# Altium PCB DBBC7505S-F.PcbDoc (part 1 of 2) (continued)
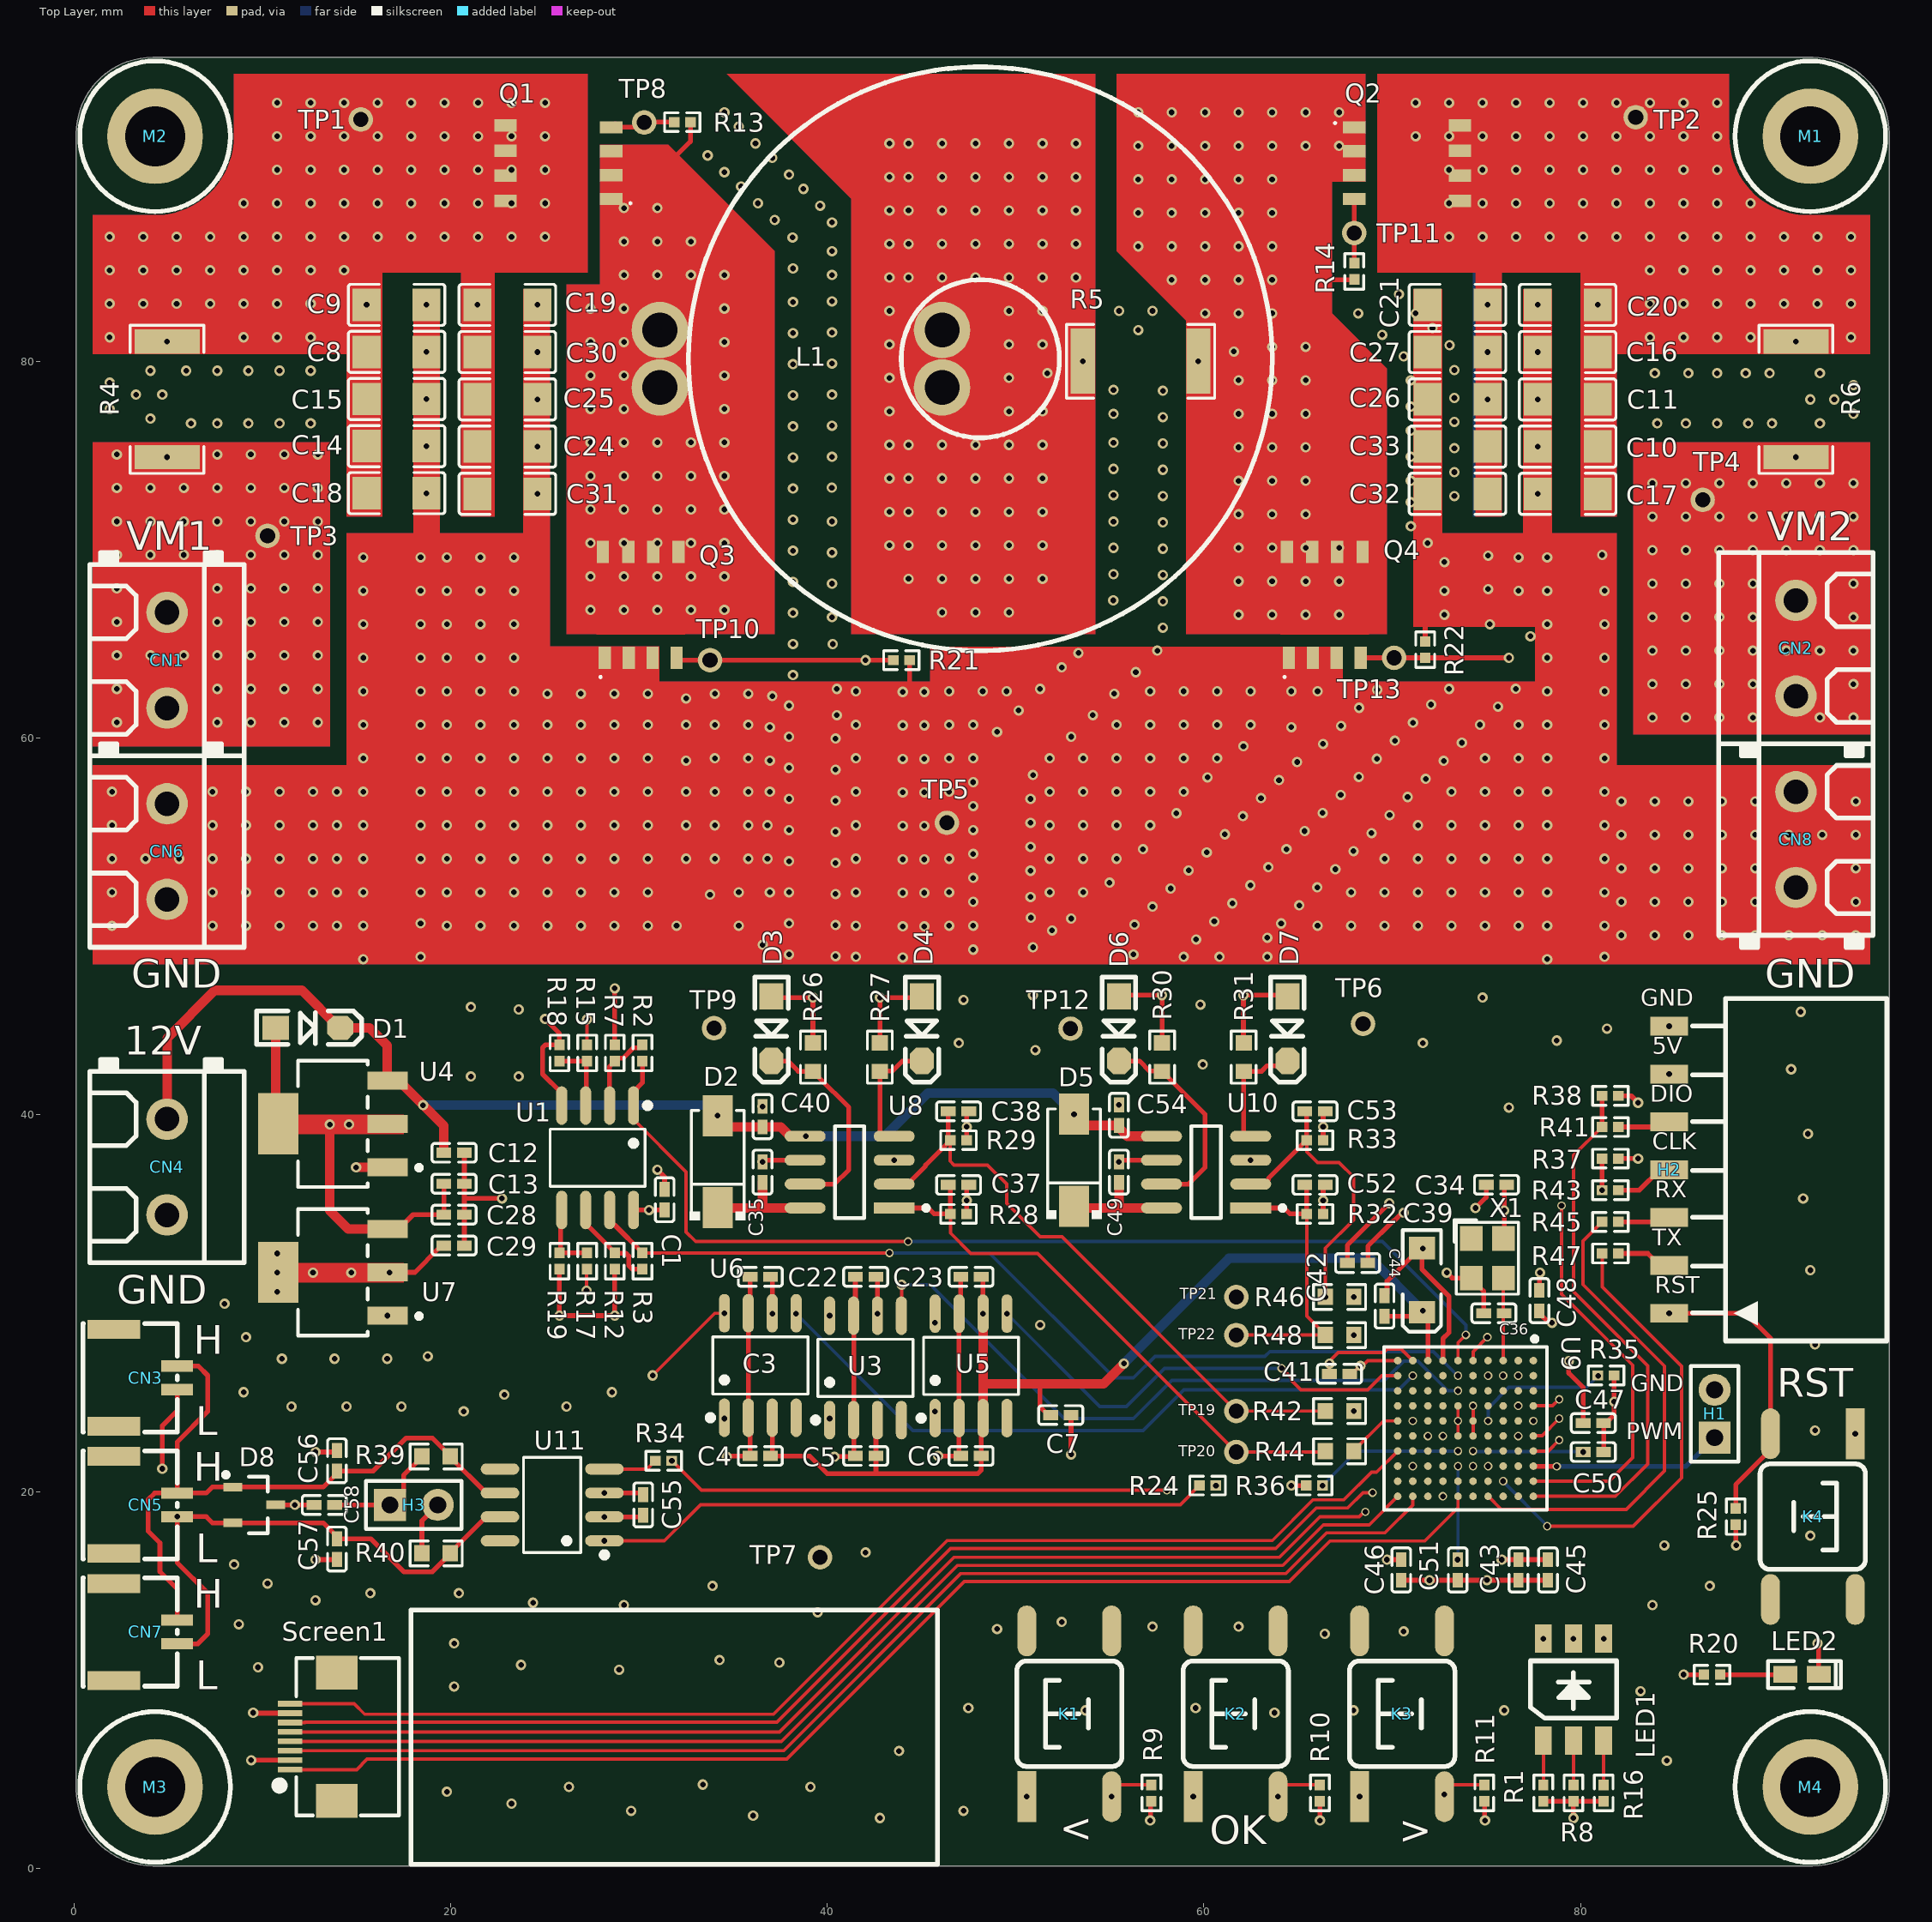
[diagram p0: Top Layer view]
## Design rules (kind name [scope] priority, off if disabled: settings) (continued)
29 further rules are at their usual default settings.

## Components (designator, comment, footprint, x,y, rotation, side; value= is the part's Value field where it differs from the comment)
C1 "470nF" C0402 31.369,35.492 r270 top
C3 "100nF" C0402 36.449,31.396 r0 top
C4 "100nF" C0402 36.449,21.89 r0 top
C5 "100nF" C0402 42.045,21.89 r0 top
C6 "100nF" C0402 47.641,21.89 r0 top
C7 "100nF" C0402 52.406,24.059 r180 top
C8 "22uF100V" C1206 17.136,80.5 r0 top
C9 "22uF100V" C1206 17.136,83 r0 top
C10 "22uF100V" C1206 79.318,75.475 r180 top
C11 "22uF100V" C1206 79.318,77.983 r0 top
C12 "1uF" C0402 20.191,37.984 r180 top
C13 "1uF" C0402 20.191,36.341 r180 top
C14 "22uF100V" C1206 17.136,75.501 r0 top
C15 "22uF100V" C1206 17.136,78 r0 top
C16 "22uF100V" C1206 79.318,80.492 r180 top
C17 "22uF100V" C1206 79.318,72.967 r0 top
C18 "22uF100V" C1206 17.136,73.001 r0 top
C19 "22uF100V" C1206 23.02,83 r0 top
C20 "22uF100V" C1206 79.318,83 r180 top
C21 "22uF100V" C1206 73.468,83 r0 top
C22 "100nF" C0402 42.045,31.396 r0 top
C23 "100nF" C0402 47.641,31.396 r0 top
C24 "22uF100V" C1206 23.02,75.475 r0 top
C25 "22uF100V" C1206 23.02,77.983 r0 top
C26 "22uF100V" C1206 73.468,77.983 r180 top
C27 "22uF100V" C1206 73.468,80.492 r0 top
C28 "1uF" C0402 20.191,34.699 r180 top
C29 "1uF" C0402 20.191,33.057 r180 top
C30 "22uF100V" C1206 23.02,80.492 r0 top
C31 "22uF100V" C1206 23.02,72.967 r0 top
C32 "22uF100V" C1206 73.468,72.967 r180 top
C33 "22uF100V" C1206 73.468,75.475 r0 top
C34 "100nF" C0402 75.538,36.287 r180 top
C35 "100nF" C0402 36.568,36.957 r90 top
C36 "15pF" C0402 75.401,29.464 r180 top
C37 "330pF" C0402 46.976,36.279 r180 top
C38 "330pF" C0402 46.976,40.185 r180 top
C39 "10uF" "CD A(3216)" 71.582,31.221 r90 top
C40 "1uF" C0402 36.568,39.9 r270 top
C41 "100nF" C0402 67.204,26.248 r180 top
C42 "100nF" C0402 68.162,32.131 r180 top
C43 "100nF" C0402 76.708,15.838 r270 top
C44 "100nF" C0402 69.596,29.845 r90 top
C45 "1uF" C0402 78.272,15.838 r90 top
C46 "100nF" C0402 70.484,15.838 r90 top
C47 "100nF" C0402 80.682,23.635 r180 top
C48 "100nF" C0402 77.818,30.134 r270 top
C49 "100nF" C0402 55.493,36.957 r90 top
C50 "2.2uF" C0402 80.682,22.098 r0 top
C51 "2.2uF" C0402 73.48,15.838 r270 top
C52 "330pF" C0402 65.902,36.279 r180 top
C53 "330pF" C0402 65.902,40.185 r180 top
C54 "1uF" C0402 55.493,39.977 r270 top
C55 "100nF" C0402 30.234,19.29 r270 top
C56 "20pF" C0402 13.97,21.634 r270 top
C57 "20pF" C0402 13.97,16.944 r90 top
C58 "4.7nF" C0402 13.3,19.29 r0 top
CN1 "1729128" CONN-TH_2P-P5.08 4.953,64.135 r270 top
CN2 "1729128" CONN-TH_2P-P5.08 91.44,64.77 r90 top
CN3 "A1257WR-S-2P" CONN-SMD_A1257WR-S-2P 3.81,26.035 r270 top
CN4 "1729128" CONN-TH_2P-P5.08 4.953,37.226 r270 top
CN5 "A1257WR-S-2P" CONN-SMD_A1257WR-S-2P 3.81,19.29 r270 top
CN6 "1729128" CONN-TH_2P-P5.08 4.953,53.975 r270 top
CN7 "A1257WR-S-2P" CONN-SMD_A1257WR-S-2P 3.81,12.544 r270 top
CN8 "1729128" CONN-TH_2P-P5.08 91.44,54.61 r90 top
D1 "1N5819W(SOD-123)" SOD-123 12.438,44.622 r0 top
D2 "MURA120T3G" SMA 34.186,37.508 r270 top
D3 "1N5819W(SOD-123)" SOD-123 37.045,44.572 r270 top
D4 "1N5819W(SOD-123)" SOD-123 45.035,44.572 r270 top
D5 "MURA120T3G" SMA 53.111,37.585 r270 top
D6 "1N5819W(SOD-123)" SOD-123 55.493,44.572 r270 top
D7 "1N5819W(SOD-123)" SOD-123 64.441,44.572 r270 top
D8 "PESD1CAN" SOT23-3L 9.594,19.29 r270 top
H1 "Header-Male-2.54_1x2" HDR2.54-LI-2P 87.122,24.13 r90 top
H2 "7P卧贴排母" HDR-SMD_7P-P2.54-H-F-L11.5 84.709,37.084 r90 top (schematic designator H?)
H3 "Header-Male-2.54_1x2" HDR2.54-LI-2P 18.056,19.29 r0 top
K1 "TSW SMD-6*6*5" "TSW SMD-6*6*5" 52.863,8.203 r90 top
K2 "TSW SMD-6*6*5" "TSW SMD-6*6*5" 61.698,8.203 r90 top
K3 "TSW SMD-6*6*5" "TSW SMD-6*6*5" 70.533,8.203 r90 top
K4 "TSW SMD-6*6*5" "TSW SMD-6*6*5" 92.329,18.669 r270 top
L1 "47uH 30A" 106-125卧式 34.163,81.661 r270 top locked
LED1 "LED 5050" "LED 5050" 79.629,9.487 r90 top
LED2 "LED 0603G" "LED 0603G" 91.758,10.28 r0 top
M1 "M3x5_L" M3x5_L 92.202,91.948 r0 top
M2 "M3x5_L" M3x5_L 4.318,91.948 r0 top
M3 "M3x5_L" M3x5_L 4.318,4.318 r0 top
M4 "M3x5_L" M3x5_L 92.202,4.318 r0 top
Q1 "BSC070N10NS3 G" INF-PG-TDSON-8-1_V 25.714,90.521 r90 top
Q2 "BSC070N10NS3 G" INF-PG-TDSON-8-1_V 70.807,90.521 r270 top
Q3 "BSC070N10NS3 G" INF-PG-TDSON-8-1_V 30.099,67.087 r0 top
Q4 "BSC070N10NS3 G" INF-PG-TDSON-8-1_V 66.421,67.087 r0 top
R1 "330 ohm" R0402 78.029,3.996 r270 top
R2 "3k" R0402 30.19,43.28 r270 top
R3 "3k" R0402 30.19,32.236 r90 top
R4 "0.003 ohm" R2512 4.953,77.983 r90 top
R5 "0.003 ohm" R2512 56.642,80.01 r0 top
R6 "0.003 ohm" R2512 91.44,77.983 r270 top
R7 "72k" R0402 28.722,43.28 r90 top
R8 "510 ohm" R0402 79.629,3.996 r270 top
R9 "10k" R0402 57.213,3.996 r270 top
R10 "10k" R0402 66.161,3.996 r270 top
R11 "10k" R0402 74.891,3.996 r270 top
R12 "72k" R0402 28.722,32.236 r90 top
R13 "10k" R0402 32.309,92.699 r0 top
R14 "10k" R0402 67.99,84.776 r90 top
R15 "72k" R0402 27.254,43.28 r90 top
R16 "330 ohm" R0402 81.229,3.996 r90 top
R17 "72k" R0402 27.254,32.236 r90 top
R18 "3k" R0402 25.785,43.28 r270 top
R19 "3k" R0402 25.785,32.236 r90 top
R20 "3k" R0402 86.986,10.28 r0 top
R21 "10k" R0402 43.942,64.135 r180 top
R22 "10k" R0402 71.755,64.695 r270 top
R24 "10 ohm" R0402 60.198,20.32 r180 top
R25 "10k" R0402 88.24,18.669 r90 top
R26 "10 ohm" R0603 39.243,43.062 r90 top
R27 "10 ohm" R0603 42.799,43.062 r90 top
R28 "10k" R0402 46.976,34.737 r180 top
R29 "10k" R0402 46.976,38.653 r180 top
R30 "10 ohm" R0603 57.785,43.062 r90 top
R31 "10 ohm" R0603 62.118,43.062 r90 top
R32 "10k" R0402 65.902,34.737 r180 top
R33 "10k" R0402 65.902,38.653 r180 top
R34 "10 ohm" R0402 31.317,21.634 r180 top
R35 "10k" R0402 81.355,26.162 r180 top
R36 "10k" R0402 65.861,20.32 r0 top
R37 "10k" R0402 81.586,37.675 r180 top
R38 "10k" R0402 81.586,41.005 r180 top
R39 "60.4 ohm" R0603 19.235,21.863 r0 top
R40 "60.4 ohm" R0603 19.235,16.719 r0 top
R41 "10 ohm" R0402 81.586,39.354 r180 top
R42 "10 ohm" R0603 67.204,24.273 r180 top
R43 "10 ohm" R0402 81.586,35.996 r180 top
R44 "10 ohm" R0603 67.204,22.14 r180 top
R45 "10 ohm" R0402 81.586,34.318 r180 top
R46 "10 ohm" R0603 67.204,30.331 r180 top
R47 "10 ohm" R0402 81.586,32.639 r180 top
R48 "10 ohm" R0603 67.204,28.308 r180 top
Screen1 "FPC0.5-8P" "FPC0.5 2H-S-W-8P" 13.97,6.985 r90 top
TP1 "TestPoint_DIP" TestPoint_DIP 15.24,92.837 r90 top
TP2 "TestPoint_DIP" TestPoint_DIP 82.931,92.964 r90 top
TP3 "TestPoint_DIP" TestPoint_DIP 10.287,70.739 r90 top
TP4 "TestPoint_DIP" TestPoint_DIP 86.487,72.644 r90 top
TP5 "TestPoint_DIP" TestPoint_DIP 46.355,55.499 r90 top
TP6 "TestPoint_DIP" TestPoint_DIP 68.453,44.831 r90 top
TP7 "TestPoint_DIP" TestPoint_DIP 39.624,16.51 r90 top
TP8 "TestPoint_DIP" TestPoint_DIP 30.287,92.679 r90 top
TP9 "TestPoint_DIP" TestPoint_DIP 33.989,44.596 r90 top
TP10 "TestPoint_DIP" TestPoint_DIP 33.782,64.135 r90 top
TP11 "TestPoint_DIP" TestPoint_DIP 67.99,86.817 r90 top
TP12 "TestPoint_DIP" TestPoint_DIP 52.924,44.572 r90 top
TP13 "TestPoint_DIP" TestPoint_DIP 70.104,64.262 r90 top
TP19 "TestPoint_DIP" TestPoint_DIP 61.722,24.273 r90 top
TP20 "TestPoint_DIP" TestPoint_DIP 61.722,22.098 r90 top
TP21 "TestPoint_DIP" TestPoint_DIP 61.722,30.331 r90 top
TP22 "TestPoint_DIP" TestPoint_DIP 61.722,28.308 r90 top
U1 "GS8552-SR" SOIC-8_L4.9-W3.9-P1.27-LS6.0-BL 27.813,37.719 r180 top
U3 "CSA240LCSOIC8" SOIC-8_L4.9-W3.9-P1.27-LS6.0-BL 42.037,26.565 r0 top
U4 "TLV1117-50IDCY" FP-DCY0004A-MFG 13.755,39.518 r180 top
U5 "CSA240LCSOIC8" SOIC-8_L4.9-W3.9-P1.27-LS6.0-BL 47.641,26.67 r0 top
U6 "CSA240LCSOIC8" SOIC-8_L4.9-W3.9-P1.27-LS6.0-BL 36.449,26.692 r0 top
U7 "TLV1117-33IDCYR" FP-DCY0004A-MFG 13.755,31.637 r180 top
U8 "IRS2186STRPBF" FP-PG-DSO-8-IPC_B 41.195,36.957 r180 top
U9 "STM32H743VIH6" FP-TFBGA100-A08Q-MFG 73.895,23.349 r270 top
U10 "IRS2186STRPBF" FP-PG-DSO-8-IPC_B 60.121,36.957 r180 top
U11 "TCAN332GDR" SOIC-8_L4.9-W3.9-P1.27-LS6.0-BL 25.4,19.29 r90 top
X1 "25Mhz" "OSC 3225-4P" 75.057,32.385 r270 top

## Footprints (in the part's own frame and the unit in brackets; to place one, negate y for a bottom-side part, rotate by r counter-clockwise, add the part's x,y. Pads: shape width x height; smd on the part's side, far side on the other; paste and mask are expansions set on the pad)
106-125卧式 [mm]
  round 3 hole 1.85: 1(0,-3.048) 1(3.048,-3.048) 2(0,11.938) 2(3.048,11.938)
  silkscreen extent -13.97,-1.53 17.02,29.47
C0402 [mm]
  rect 0.79x0.54 smd: 1(-0.545,0) 2(0.545,0)
  silkscreen extent -1.17,-0.5 1.17,0.5, body extent -0.5,-0.25 0.5,0.25, height 0.5
C1206 [mm]
  rect 1.485x1.728 smd: 1(-1.593,0) 2(1.593,0)
  silkscreen extent -2.56,-1.09 2.56,1.09, body extent -1.7,-0.91 1.7,0.91, height 0.89
"CD A(3216)" [mm] "长3.2mm，宽1.6mm，厚1.6mm"
  rect 1.2x1.4 smd: 1(-1.7,0) 2(1.7,0)
  silkscreen extent -2.74,-1.02 2.67,1.02, body extent -1.6,-0.8 1.6,0.8, height 1.6
CONN-SMD_A1257WR-S-2P [mm]
  rect 0.6x1.7 smd: 1(0.625,1.675) 2(-0.625,1.675)
  rect 1x2.8 smd: 3(2.575,-1.675) 4(-2.575,-1.675)
  silkscreen extent -2.87,-3.33 2.87,1.68, body extent -2.87,-2.86 2.87,2, height 4.25
CONN-TH_2P-P5.08 [mm]
  round 2.2 hole 1.3 mask+0.051: 1(-2.54,0) 2(2.54,0)
  silkscreen extent -5.72,-4.1 5.08,4.1
FP-DCY0004A-MFG [mm]
  rect 2.15x0.95 smd paste+0 mask+0: 1(-2.9,2.3) 2(-2.9,0) 3(-2.9,-2.3)
  rect 2.15x3.25 smd paste+0 mask+0: 4(2.9,0)
  silkscreen extent -4.7,-3.35 1.85,3.35, body extent -4.08,-3.45 4.08,3.45, height 0.25
FP-PG-DSO-8-IPC_B [mm]
  rect 2.174x0.582 smd paste+0 mask+0: 1(-2.366,1.905)
  rrect100% 2.174x0.582 smd paste+0 mask+0: 2(-2.366,0.635) 3(-2.366,-0.635) 4(-2.366,-1.905) 5(2.366,-1.905) 6(2.366,-0.635) 7(2.366,0.635) 8(2.366,1.905)
  silkscreen extent -4.18,-2.44 0.78,2.44, body extent -3.7,-2.7 3.7,2.7, height 0.25
FP-TFBGA100-A08Q-MFG [mm]
  round 0.4 smd paste+0 mask+0: A1(-3.6,3.6) A2(-2.8,3.6) A3(-2,3.6) A4(-1.2,3.6) A5(-0.4,3.6) A6(0.4,3.6) A7(1.2,3.6) A8(2,3.6) A9(2.8,3.6) A10(3.6,3.6) B1(-3.6,2.8) B2(-2.8,2.8) B3(-2,2.8) B4(-1.2,2.8) B5(-0.4,2.8) B6(0.4,2.8) B7(1.2,2.8) B8(2,2.8) B9(2.8,2.8) B10(3.6,2.8) C1(-3.6,2) C2(-2.8,2) C3(-2,2) C4(-1.2,2) C5(-0.4,2) C6(0.4,2) C7(1.2,2) C8(2,2) C9(2.8,2) C10(3.6,2) D1(-3.6,1.2) D2(-2.8,1.2) D3(-2,1.2) D4(-1.2,1.2) D5(-0.4,1.2) D6(0.4,1.2) D7(1.2,1.2) D8(2,1.2) D9(2.8,1.2) D10(3.6,1.2) E1(-3.6,0.4) E2(-2.8,0.4) E3(-2,0.4) E4(-1.2,0.4) E5(-0.4,0.4) E6(0.4,0.4) E7(1.2,0.4) E8(2,0.4) E9(2.8,0.4) E10(3.6,0.4) F1(-3.6,-0.4) F2(-2.8,-0.4) F3(-2,-0.4) F4(-1.2,-0.4) F5(-0.4,-0.4) F6(0.4,-0.4) F7(1.2,-0.4) F8(2,-0.4) F9(2.8,-0.4) F10(3.6,-0.4) G1(-3.6,-1.2) G2(-2.8,-1.2) G3(-2,-1.2) G4(-1.2,-1.2) G5(-0.4,-1.2) G6(0.4,-1.2) G7(1.2,-1.2) G8(2,-1.2) G9(2.8,-1.2) G10(3.6,-1.2) H1(-3.6,-2) H2(-2.8,-2) H3(-2,-2) H4(-1.2,-2) H5(-0.4,-2) H6(0.4,-2) H7(1.2,-2) H8(2,-2) H9(2.8,-2) H10(3.6,-2) J1(-3.6,-2.8) J2(-2.8,-2.8) J3(-2,-2.8) J4(-1.2,-2.8) J5(-0.4,-2.8) J6(0.4,-2.8) J7(1.2,-2.8) J8(2,-2.8) J9(2.8,-2.8) J10(3.6,-2.8) K1(-3.6,-3.6) K2(-2.8,-3.6) K3(-2,-3.6) K4(-1.2,-3.6) K5(-0.4,-3.6) K6(0.4,-3.6) K7(1.2,-3.6) K8(2,-3.6) K9(2.8,-3.6) K10(3.6,-3.6)
  silkscreen extent -4.87,-4.33 4.33,4.32, body extent -4.57,-4.57 4.57,4.57, height 0.25
"FPC0.5 2H-S-W-8P" [mm] "长：8.2mm，宽：5.2mm，高：2mm"
  rect 1.8x2.2 smd: 0(-3.4,0) 0(3.4,0)
  rect 0.3x1.3 smd: 1(-1.75,2.497) 2(-1.25,2.497) 3(-0.75,2.497) 4(-0.25,2.497) 5(0.25,2.497) 6(0.75,2.497) 7(1.25,2.497) 8(1.75,2.497)
  silkscreen extent -4.17,-3.3 4.17,3.23, body extent -4.1,-3.15 4.1,2.85, height 2
HDR2.54-LI-2P [mm] "排针，2脚"
  rect 1.7x1.7 hole 0.9: 1(-1.27,0)
  round 1.7 hole 0.9: 2(1.27,0)
  silkscreen extent -2.54,-1.27 2.54,1.27, body extent -2.54,-1.27 2.54,1.27, height 8.5
HDR-SMD_7P-P2.54-H-F-L11.5 [mm]
  rect 1x2 smd mask-2539.97: 1(-7.62,0) 2(-5.08,0) 3(-2.54,0) 4(0,0) 5(2.54,0) 6(5.08,0) 7(7.62,0)
  silkscreen extent -9.09,-11.56 9.09,-1.23
INF-PG-TDSON-8-1_V [mm] "TDSON, 8-Leads, Body 6.15x5.15mm, Pitch 1.27mm"
  rect 0.65x1.2 smd: 1(-1.905,-2.825) 2(-0.635,-2.825) 3(0.635,-2.825) 4(1.905,-2.825) 5(2.007,2.794) 6(0.66,2.794) 7(-0.66,2.794) 8(-2.007,2.794)
  Top Layer region: 0.315,2.925 1.015,2.925 1.015,3.425 0.315,3.425
  Top Layer region: -1.015,2.925 -0.315,2.925 -0.315,3.425 -1.015,3.425
  Top Layer region: 1.65,2.925 2.35,2.925 2.35,3.425 1.65,3.425
  Top Layer region: -2.35,2.925 -1.65,2.925 -1.65,3.425 -2.35,3.425
  Top Layer region: -2.35,2.925 -2.35,-1.575 2.35,-1.575 2.35,2.925
  silkscreen extent -2.23,-3.94 -2.03,-3.74, body extent -2.58,-3.08 2.58,3.08, height 1
"LED 0603G" [mil] "绿色0603LED"
  rect 50x35 smd: 1(-35,0.26) 2(35,0.26)
  silkscreen extent -71,-28 81,28, body extent -31,-16 32,16, height 18
"LED 5050" [mm] "白色5050LED"
  rect 1.5x0.9 smd: 1(2.705,1.6) 2(-2.705,1.6) 3(2.705,0) 4(-2.705,0) 5(2.705,-1.6) 6(-2.705,-1.6)
  silkscreen extent -1.52,-2.29 1.52,2.29, body extent -2.7,-2.5 2.7,2.5, height 1.65
M3x5_L [mm] "M3铜柱，长：5mm"
  round 5.08 hole 3.175: 1(0,0)
  silkscreen extent -4,-4 4,4, body extent -2.7,-2.35 2.7,2.35, height 5.05
"OSC 3225-4P" [mm] "3.2*2.5*0.7mm(长宽高)"
  rect 1.3x1.2 smd: 1(-1.05,-0.85) 2(1.05,-0.85) 3(1.05,0.85) 4(-1.05,0.85)
  silkscreen extent -2.03,-1.75 1.91,1.65, body extent -1.6,-1.25 1.6,1.25, height 0.7
R0402 [mm]
  rect 0.566x0.54 smd: 1(-0.433,0) 2(0.433,0)
  silkscreen extent -0.94,-0.5 0.94,0.5, body extent -0.5,-0.25 0.5,0.25, height 0.51
R0603 [mm]
  rect 0.806x0.864 smd: 1(-0.753,0) 2(0.753,0)
  silkscreen extent -1.39,-0.66 1.39,0.66, body extent -0.8,-0.4 0.8,0.4, height 0.22
R2512 [mm]
  rect 1.283x3.456 smd: 1(-3.066,0) 2(3.066,0)
  silkscreen extent -3.94,-1.96 3.94,1.96, body extent -3.15,-1.6 3.15,1.6, height 0.61
SMA [mm]
  rect 2.185x1.593 smd: 1(-2.442,0) 2(2.442,0)
  silkscreen extent -2.73,-1.48 3.11,1.48, body extent -2.6,-1.3 2.6,1.3, height 2
SOD-123 [mil] "2.7x1.6X1.1mm（长宽高，不包括引脚）"
  rect 55x50 smd: 1(-67.5,0)
  oct 55x50 smd: 2(67.5,0)
  silkscreen extent -108,-35 112,35, body extent -73,-31 73,31, height 48
SOIC-8_L4.9-W3.9-P1.27-LS6.0-BL [mm]
  oval 0.588x2.045 smd: 1(-1.905,-2.772) 2(-0.635,-2.772) 3(0.635,-2.772) 4(1.905,-2.772) 5(1.905,2.772) 6(0.635,2.772) 7(-0.635,2.772) 8(-1.905,2.772)
  silkscreen extent -2.8,-2.92 2.53,1.52, body extent -2.51,-2.89 2.51,3.15, height 1.6
SOT23-3L [mm] "3x1.3x1mm(长宽高)"
  rect 0.45x1 smd: 1(-0.95,-1.143) 2(0.95,-1.143) 3(0,1.125)
  silkscreen extent -1.72,-1.65 1.5,0.7, body extent -1.5,-1.2 1.5,1.2, height 1.05
TestPoint_DIP [mm]
  round 1.3 hole 0.8: 1(0,0)
"TSW SMD-6*6*5" [mm] "6*6*5mm"
  rect 2.7x1 smd: 1(-4.4,2.261)
  oval 2.7x1 smd: 2(4.4,2.261) 3(-4.4,-2.239) 4(4.4,-2.239)
  silkscreen extent -2.79,-2.79 2.79,2.79, body extent -4.5,-3 4.5,3, height 4.95

## Part data
C1 C3 C4 C5 C6 C7 C12 C13 C22 C23 C28 C29 C34 C35 C36 C37 C38 C40 C41 C42 C43 C44 C45 C46 C47 C48 C49 C50 C51 C52 C53 C54 C55 C56 C57 C58: library part C0402, BOM_JLCPCB Part Class="Extended Part", BOM_Manufacturer=YAGEO, BOM_Manufacturer Part=CC0402KRX7R7BB104, BOM_Supplier=LCSC, BOM_Supplier Part=C60474, nameAlias=Capacitance, spicePre=C, spiceSymbolName=CC0402KRX7R7BB104
C8 C9 C10 C11 C14 C15 C16 C17 C18 C19 C20 C21 C24 C25 C26 C27 C30 C31 C32 C33: library part C1206, BOM_JLCPCB Part Class="Basic Part", BOM_Manufacturer=FH, BOM_Manufacturer Part=1206B102K202NT, BOM_Supplier=LCSC, BOM_Supplier Part=C9196, nameAlias=Capacitance, spicePre=C, spiceSymbolName=1206B102K202NT
C39: library part A型钽电容, "长3.2mm，宽1.6mm，厚1.6mm", BOM_JLCPCB Part Class="Extended Part", BOM_Manufacturer=ValuePro, BOM_Manufacturer Part="50V 100uF 8X12", BOM_Supplier=LCSC, BOM_Supplier Part=C2749, nameAlias=Capacitance, spicePre=C, spiceSymbolName="50V 100uF 8X12"
CN1 CN2 CN4 CN6 CN8: library part MKDSN5.08-2P, "间距:5.08mm;排数:1;每排PIN数:2;安装方式:直针;额定电流:13.5A;额定电压:400V;工作温度范围:-;颜色:绿色;", Color=绿色, Current Rating (Max)=13.5A, JLCPCB Part Class="Extended Part", LCSC Part Name="5.08mm 排数:1 每排P数:2 直针", Manufacturer="Phoenix Contact(菲尼克斯)", Operating Temperature Range=-, Voltage Rating (Max)=400V, Add into BOM=yes, Convert to PCB=yes, Datasheet=https://atta.szlcsc.com/upload/public/pdf/source/20161226/1482720163948.pdf, Device=1729128, Manufacturer Part=1729128, Mounting Style=直针, Number of PINs Per Row=2, Number of Rows=1, Pitch=5.08mm, Supplier=LCSC, Supplier Footprint=插件,P=5.08mm, Supplier Part=C91153, Symbol=MKDSN1.5/2-5.08
CN3 CN5 CN7: BOM_JLCPCB Part Class="Extended Part", BOM_Manufacturer="Changjiang Connectors", BOM_Manufacturer Part=A1257WV-S-2P, BOM_Supplier=LCSC, BOM_Supplier Part=C225118, Contributor=LCSC, spicePre=C, spiceSymbolName=A1257WV-S-2P
D1 D3 D4 D6 D7: BOM_JLCPCB Part Class="Extended Part", BOM_Manufacturer=Doeshare(德芯), BOM_Manufacturer Part=SS34, BOM_Supplier=LCSC, BOM_Supplier Part=C2931787, Contributor=LCSC, spicePre=D, spiceSymbolName=SS34_C2931787
D2 D5: "25ns 0.875V压降 1A快恢复二极管", Average Rectified Current (Io)=1A, Forward Voltage (Vf@If)=1.7V@1A, JLCPCB Part Class="Extended Part", LCSC Part Name="600V 1A 35ns", Manufacturer=MDD, Manufacturer Part=ES1J, Operating Temperature=-55℃~+150℃@(Tj), Reverse Leakage Current=5uA@600V, Reverse Voltage (Vr)=600V, Add into BOM=yes, Convert to PCB=yes, Datasheet=https://atta.szlcsc.com/upload/public/pdf/source/20200710/C412438_D778E045B8BDD674EB487A7C2F57C90E.pdf, Device=ES1J_C412438, Diode Configuration=独立式, Name=ES1J, Reverse Recovery Time (trr)=35ns, Supplier=LCSC, Supplier Footprint=SMA, Supplier Part=C412438, Symbol=ES1JG_C412438
D8: BOM_Manufacturer="TECH PUBLIC", BOM_Manufacturer Part=PESD1CAN, BOM_Supplier=LCSC, BOM_Supplier Part=C907838, Contributor=LCSC, spicePre=D, spiceSymbolName=PESD1CAN_C907838
H1 H3: BOM_JLCPCB Part Class="Extended Part", BOM_Manufacturer=BOOMELE, BOM_Manufacturer Part="Header2.54mm 1*3P", BOM_Supplier=LCSC, BOM_Supplier Part=C49257, spicePre=H, spiceSymbolName=Header-Male-2.54_1x3
H2: JLCPCB Part Class="Extended Part", LCSC Part Name="间距:2.54mm 1x6P 卧贴", Manufacturer="XKB Connectivity(中国星坤)", Manufacturer Part=X6511FRS-06-C85D30, Add into BOM=yes, Convert to PCB=yes, Datasheet=https://atta.szlcsc.com/upload/public/pdf/source/20220822/AB9A82E80C220285963E5EFA3BFD32FF.pdf, Device=X6511FRS-06-C85D30, Holes Structure=1x6P, Insulation Height=8.5mm, Mounting Type=卧贴, Name=X6511FRS-06-C85D30, Number of Holes=6P, Number of Rows=单排, Pitch=2.54mm, Supplier=LCSC, Supplier Footprint=SMD,P=2.54mm, Supplier Part=C5142239, Symbol=X6511FRS-06-C85D30
K1 K2 K3 K4: BOM_JLCPCB Part Class="Extended Part", BOM_Manufacturer=GANGYUAN(港源), BOM_Manufacturer Part=KAN0661-1001B, BOM_Supplier=LCSC, BOM_Supplier Part=C231715, Contributor=LCSC, spicePre=S, spiceSymbolName=KAN0661-1001B
L1: library part 106-125铁硅铝磁环电感, BOM_JLCPCB Part Class="Extended Part", BOM_Manufacturer=FH(风华), BOM_Manufacturer Part=HA42-4R7MT, BOM_Supplier=LCSC, BOM_Supplier Part=C2936653, Contributor=LCSC, nameAlias=Inductance, spicePre=L, spiceSymbolName=HA42-4R7MT
LED1: "5050RGB-LED", BOM_Manufacturer=EVERLIGHT(台湾亿光), BOM_Manufacturer Part=11-21/BHC-AQ2S2/2T, BOM_Supplier=LCSC, BOM_Supplier Part=C3014404, Contributor=lcsc, spicePre=L, spiceSymbolName=11-21/BHC-AQ2S2/2T
LED2: "绿色0603LED", BOM_Manufacturer=EVERLIGHT(台湾亿光), BOM_Manufacturer Part=11-21/BHC-AQ2S2/2T, BOM_Supplier=LCSC, BOM_Supplier Part=C3014404, Contributor=lcsc, spicePre=L, spiceSymbolName=11-21/BHC-AQ2S2/2T
M1 M2 M3 M4: "M3铜柱，长：5mm"
Q1 Q2 Q3 Q4: library part BSC070N10NS3G, "N-Channel OptiMOS 3 Power-Transistor, 100 V VDS, 90 A ID, -55 to 150 degC, PG-TDSON-8-1, Reel, Green", Manufacturer=Infineon, ComponentLink1Description="Manufacturer URL", ComponentLink1URL=http://www.infineon.com/, ComponentLink2Description=Datasheet, ComponentLink2URL=http://www.infineon.com/dgdl/BSC070N10NS3+Rev2+1.pdf?folderId=db3a304313b8b5a60113cee8763b02d7&fileId=db3a304327b89750012824712c6c6f2f, ComponentLink3Description="Package Specification", ComponentLink3URL=http://www.infineon.com/cms/packages/SMD_-_Surface_Mounted_Devices/P-PG-TDSON/P-PG-TDSON-08-01x_2x_3.html?__locale=en, DatasheetVersion="Rev. 2.0", Green=TRUE, Halogen-free=TRUE, ID (max)="90Â A", IDpuls (max)="360Â A", Manufacturer Part Number=BSC070N10NS3G, Mounting Technology="Surface Mount", PackageDescription="8-Pin Plastic (Green) Thin Dual Small Outline Non-Leaded Package, 5.15 x 5.9 mm Body, 1.27 mm Pitch", PackageReference=PG-TDSON-8-1, Packing=Reel, PartNumber="BSC070N10NS3 G", Polarity=N, Ptot (max)="114Â W", QG="42Â nC", RDS (on) (max)="7Â mOhm", Rth="1.1Â K/W", RthJA (max)="50Â K/W", RthJC (max)="1.1Â K/W", VDS (max)="100Â V", VGS(th) (max)="3.5Â V", VGS(th) (min)="2Â V"
R1 R2 R3 R7 R8 R9 R10 R11 R12 R13 R14 R15 R16 R17 R18 R19 R20 R21 R22 R24 R25 R28 R29 R32 R33 R34 R35 R36 R37 R38 R41 R43 R45 R47: library part R0402, BOM_JLCPCB Part Class="Extended Part", BOM_Manufacturer=YAGEO, BOM_Manufacturer Part=SR0402FR-0710KL, Resistance=10kΩ, BOM_Supplier=LCSC, BOM_Supplier Part=C723595, Contributor=LCSC, spicePre=R, spiceSymbolName=SR0402FR-0710KL
R4 R5 R6: library part R2512, BOM_JLCPCB Part Class="Extended Part", BOM_Manufacturer=YAGEO, BOM_Manufacturer Part=SR2512FK-0751RL, Resistance=51Ω, BOM_Supplier=LCSC, BOM_Supplier Part=C375694, Contributor=LCSC, nameAlias="Resistance (Ohms)", spicePre=R, spiceSymbolName=SR2512FK-0751RL
R26 R27 R30 R31 R39 R40 R42 R44 R46 R48: library part R0603, BOM_JLCPCB Part Class="Extended Part", BOM_Manufacturer=YAGEO, BOM_Manufacturer Part=SR0603JR-071RL, Resistance=1Ω, BOM_Supplier=LCSC, BOM_Supplier Part=C326890, Contributor=LCSC, nameAlias="Resistance (Ohms)", spicePre=R, spiceSymbolName=SR0603JR-071RL
Screen1: library part FPC-8P-0.5, "FPC连接器", BOM名称=FPC连接器, 学习资源=https://lmdzstyle.taobao.com/, 版权归属=黎明电子style
TP1 TP2 TP3 TP4 TP5 TP6 TP7 TP8 TP9 TP10 TP11 TP12 TP13 TP19 TP20 TP21 TP22: "测试点"
U1: "1.5MHZ, 轨到轨高精双通道运放", JLCPCB Part Class="Extended Part", Manufacturer=Gainsil(聚洵), Operating Temperature=-40℃~+125℃, Supply Current=180uA, Supply Voltage=1.8V~5.5V, Add into BOM=yes, Convert to PCB=yes, Datasheet=https://atta.szlcsc.com/upload/public/pdf/source/20200615/C605420_EE0E567F8FF01D919583B114644E1CC3.pdf, Device=GS8552-SR, Gain Bandwidth Product(GBP)=1.8MHz, LCSC Part Name=GS8552-SR, Manufacturer Part=GS8552-SR, Name=GS8552-SR, Number of Circuits=双路, Slew Rate(SR)=0.95V/us, Supplier=LCSC, Supplier Footprint=SOIC-8, Supplier Part=C157716, Symbol=GS8552-SR
U3 U5 U6: "低噪声低温漂双向电流高端检测芯片", Common Mode Voltage=6V~80V, JLCPCB Part Class="Extended Part", LCSC Part Name=线性产品, Manufacturer=analogysemi(类比半导体), Operating Temperature=-40℃~125℃, Supply Voltage=2.7V~5.5V, Add into BOM=yes, Convert to PCB=yes, Datasheet=https://atta.szlcsc.com/upload/public/pdf/source/20230221/4ACBE0500A397B3D4468D76F97F173B7.pdf, Device=CSA240LCSOIC8, Gain=20V/V, Manufacturer Part=CSA240LCSOIC8, Name=CSA240LCSOIC8, Number of Channels=1, Supplier=LCSC, Supplier Footprint=SOIC-8, Supplier Part=C5359411, Symbol=CSA240LCSOIC8
U4: library part CMP-04917-000165-1, "IC REG LINEAR 5V 800MA SOT223-4", Case/Package=SOT-223, Dropout Voltage=1.2V, Input Bias Current=5mA, Max Input Voltage=15V, Max Operating Temperature=125°C, Max Output Current=800mA, Min Input Voltage=6.4V, Min Operating Temperature=-40°C, Nominal Output Voltage=5V, Package Quantity=80, Quiescent Current=15mA, Reference Voltage=5.2V, Height=1.7mm, Lead Free="Lead Free", Length=6.7mm, Min Current Limit=800mA, Mount="Surface Mount", Number of Outputs=1, Number of Pins=3, Number of Regulators=1, Output Current=800mA, Output Type=Fixed, Output Voltage=5V, Packaging=Rail/Tube, Polarity=Positive, Radiation Hardening=No, REACH SVHC="No SVHC", RoHS Compliant=Yes, Series=-, Width=3.7mm
U7: library part CMP-04917-000056-1, "IC REG LIN 3.3V 800MA SOT223-4", Dropout Voltage=1.2V, Manufacturer="Texas Instruments", Max Junction Temp=+125°C, Max Supply Voltage=15V, Min Supply Voltage=4.7V, Nominal Supply Current=5mA, Output Current=0.8A, Output Voltage=3.3V, Package=DCY0004A, Temperature="-40°C to +125°C", Temperature Range Low=-40°C, Automotive=No, Category=IC, ComponentLink2Description=Datasheet, ComponentLink2URL=http://www.ti.com/lit/ds/symlink/tlv1117.pdf, Device Class L1="Integrated Circuits (ICs)", Device Class L2="Power Management ICs", Device Class L3="Voltage Regulators - Linear", Digikey Description="IC REG LIN 3.3V 800MA SOT223-4", Height=1.8mm, Lead Free=Yes, Manufacturer Part Number=TLV1117-33IDCYR, Mouser Description="LDO Voltage Regulators Fixed LDO Volt Reg", Number of Outputs=1, Octopart=https://octopart.com/tlv1117-33idcyr-texas+instruments-669250, Output Type=Fixed, RoHS=TRUE, Standoff Height=0.02mm, Temperature Range High=+125°C
U8 U10: library part CMP-32851-000154-1, "IC GATE DRVR HI/LOW SIDE 8SOIC", Case/Package=SOIC, Max Operating Temperature=150°C, Max Output Current=4A, Min Operating Temperature=-40°C, Package Quantity=2500, Channel Type=Independent, Fall Time=30ns, Halogen Free="Halogen Free", Height=0.059inch, Lead Free="Lead Free", Length=0.196inch, Mount="Surface Mount", Number of Channels=2, Number Of Drivers=2, Number of Outputs=2, Number of Pins=8, Output Current=4A, Packaging="Cut Tape", Propagation Delay=170ns, RoHS Compliant=Yes, Series=-, Width=0.157inch
U9: library part CMP-12105-000020-1, "HIGH-PERFORMANCE AND DSP WITH DP", Ambient Temperature Range High=+85°C, Ambient Temperature Range Low=-40°C, Frequency=480MHz, Manufacturer=STMicroelectronics, Max Junction Temp=+125°C, Max Supply Voltage=3.6V, Min Supply Voltage=1.71V, Package=TFBGA100-A08Q, Temperature="-40°C to +85°C", Automotive=No, Category=IC, ComponentLink2Description=Datasheet, ComponentLink2URL=https://www.st.com/resource/en/datasheet/stm32h743vi.pdf, Core Architecture="ARM Cortex-M7", Data Bus Width=32bits, Device Class L1="Integrated Circuits (ICs)", Device Class L2="Embedded Processors and Controllers", Device Class L3=Microcontrollers, Digikey Description="HIGH-PERFORMANCE AND DSP WITH DP", Height=1.1mm, Interface=I2C,SPI,UART,USART,CAN,USB,Ethernet,I2S,SMBus, Ipc Land Pattern Name=BGA100C80P10X10_800X800X110, Lead Free=Yes, Manufacturer Part Number=STM32H743VIH6, Memory Size=2MBytes, Memory Type=FLASH, Mouser Description="MCU 32-Bit STM32H743VI ARM Cortex M7 RISC 2MB Flash 1.8V/2.5V/3.3V 100-Pin TFBGA Tray", Number Of A/D Converters=3, Number Of Adc Channels=36, Number Of Cores=1, Number Of Ethernet Channels=1, Number Of I2C Channels=4, Number Of I/Os=82, Number Of Pwm Channels=2, Number Of Spi Channels=6, Number Of Timers/Counters=22, Number Of Uart Channels=9, Number Of Usb Channels=1, Octopart=https://octopart.com/stm32h743vih6-stmicroelectronics-93590710, Ram Size=1MBytes, RoHS=TRUE, Standoff Height=0.15mm, Temperature Range High=+85°C, Temperature Range Low=-40°C
U11: "CANFD收发芯片", JLCPCB Part Class="Extended Part", LCSC Part Name=3V~3.6V, Manufacturer=TI(德州仪器), Operating Temperature=-40℃~+125℃, Add into BOM=yes, Convert to PCB=yes, Data Rate=5Mbps, Datasheet=https://www.ti.com/cn/lit/gpn/tcan337g, Device=TCAN332GDR, Manufacturer Part=TCAN332GDR, Supplier=LCSC, Supplier Footprint=SOIC-8, Supplier Part=C191010, Supply Voltage=3V~3.6V, Symbol=TCAN332GDR, Type=收发器
X1: library part OSC-3225, BOM_JLCPCB Part Class="Extended Part", BOM_Manufacturer=TAE(雅晶鑫), BOM_Manufacturer Part=TFOM8M4RHKCNT2T, BOM_Supplier=LCSC, BOM_Supplier Part=C454610, Contributor=LCSC, spicePre=X, spiceSymbolName=TFOM8M4RHKCNT2T

## Via types
v1: diameter 0.55, hole 0.3, Top Layer to Bottom Layer, 1192 vias
v2: diameter 0.45, hole 0.3, Top Layer to Bottom Layer, 51 vias

## Nets (pads, with @x,y where several pads share a name; then routed paths per layer and width w, separated by ;. In a path a pad name is that pad's centre, name@x,y a point inside that pad or via, vN(x,y) a via of type N, cw(c..) or ccw(c..) an arc to the next point about the centre after c; other vN are vias at no path point)
+5: C13.2 C28.2 D1.1 H2.6 U4.2 U4.4 U7.3 | length 100.5
  Top Layer w0.254: U4.4@10.723,39.65 U4.4@10.855,39.518 ; U7.3@17.255,33.937 18.017,34.699 C28.2@19.646,34.699 C13.2@19.646,36.341
  Top Layer w0.508: U4.4@10.723,39.65 D1.1@10.723,44.622 ; v1@13.589,39.497 13.589,34.925 14.577,33.937 U7.3@17.255,33.937
  Mid Layer 4 w0.508: v1(13.597,39.489) v1(14.613,39.489) 22.233,39.489 34.417,27.305 49.778,27.305 v1(51.312,28.839) 64.637,42.164 v1(84.709,42.164)
+12: C12.2 C40.2 C54.2 CN4.1 D1.2 D2.1 D5.1 U4.3 U8.5 U10.5 | length 69.1
  Top Layer w0.254: D1.2@14.089,44.622 D1.2@14.152,44.622 ; U4.3@17.255,41.818 17.78,41.293 ; v1(34.186,39.95) D2.1@34.781,39.355 ; U8.5@38.033,38.862 U8.5@38.829,38.862 ; v1(53.111,40.027) D5.1@53.707,39.432 ; C54.2@55.493,39.307 C54.2@55.493,39.432
  Top Layer w0.508: CN4.1@4.953,39.766 4.953,44.069 7.493,46.609 12.101,46.609 D1.2@14.089,44.622 ; D1.2@14.152,44.622 15.703,44.622 16.637,43.688 16.637,42.039 16.867,41.809 U4.3@17.246,41.809 ; U4.3@17.255,41.818 17.78,41.293 18.551,40.522 19.646,39.428 C12.2@19.646,37.984 ; 17.771,41.284 v1(18.542,40.513) ; D5.1@53.707,39.432 C54.2@55.493,39.432 ; C54.2@55.493,39.307 55.938,38.862 U10.5@57.754,38.862
  Top Layer w0.509: D2.1@34.781,39.355 C40.2@36.568,39.355 37.54,39.355 U8.5@38.033,38.862
  Bottom Layer w0.508: v1(18.542,40.513) 33.612,40.513 34.174,39.95 v1(34.186,39.95) ; v1(38.862,38.862) 43.053,38.862 45.339,41.148 51.991,41.148 v1(53.111,40.027)
A_HS: C35.2 L1.1 Q1.1 Q1.2 Q1.3 Q3.5 Q3.6 Q3.7 Q3.8 R13.2 TP9.1 U8.6 | length 38.4
  Top Layer w0.254: 31.242,90.17 32.742,91.67 R13.2@32.742,92.699 ; v1(36.568,37.502) 36.658,37.592 U8.6@38.829,37.592
  Mid Layer 2 w0.254: v1(30.988,66.802) 31.496,66.294 31.496,52.197 35.306,48.387 35.306,44.577 ; TP9.1@33.989,44.596 35.287,44.596 35.306,44.577 ; v1@36.576,37.465 35.306,38.735 35.306,44.577
  other v1: 27.432,66.802 29.21,66.802 32.766,66.802 34.544,66.802 27.432,68.58 29.21,68.58 30.988,68.58 32.766,68.58 34.544,68.58 27.432,70.358 29.21,70.358 30.988,70.358 32.766,70.358 34.544,70.358 27.432,72.136 29.21,72.136 30.988,72.136 32.766,72.136 34.544,72.136 27.432,73.914 29.21,73.914 30.988,73.914 32.766,73.914 34.544,73.914 27.432,75.692 29.21,75.692 30.988,75.692 32.766,75.692 34.544,75.692 27.432,77.47 29.21,77.47 34.544,77.47 27.432,79.248 29.21,79.248 34.544,79.248 27.432,81.026 29.21,81.026 34.544,81.026 27.432,82.804 29.21,82.804 34.544,82.804 29.21,84.582 30.988,84.582 32.766,84.582 34.544,84.582 29.21,86.36 30.988,86.36 32.766,86.36 29.21,88.138 30.988,88.138
ADC_Iin: U6.5 U9.J2 | length 36.5
  Bottom Layer w0.178: v1(38.354,29.442) 44.555,23.241 56.769,23.241 58.928,25.4 70.346,25.4 v2(71.095,26.149)
ADC_IL: U3.5 U9.F3 | length 36
  Top Layer w0.178: v1@43.942,30.988 v1(43.95,30.98) U3.5@43.95,29.442
  Bottom Layer w0.178: v1(43.95,30.98) 45.474,30.98 52.578,23.876 56.261,23.876 58.293,25.908 69.596,25.908 70.612,26.924 71.374,26.924 72.949,25.349 v2(73.495,25.349)
ADC_Iout: U5.5 U9.K2 | length 24.5
  Top Layer w0.178: v2(64.135,26.543) 64.669,26.009 64.669,25.882 65.151,25.4 68.707,25.4 69.456,26.149 U9.K2@70.295,26.149
  Bottom Layer w0.178: v1(49.546,29.442) 54.477,24.511 55.88,24.511 57.912,26.543 v2(64.135,26.543)
ADC_Vin: R2.2 U1.1 U9.F1 | length 55.9
  Top Layer w0.178: U1.1@29.718,40.491 29.718,39.763 32.512,36.969 32.512,33.782 33.02,33.274 v2(44.297,33.274) ; U9.F1@73.495,26.949 73.495,27.902 v2(73.914,28.321)
  Top Layer w0.254: U1.1@29.718,40.491 29.718,41.231 30.19,41.703 R2.2@30.19,42.847
  Bottom Layer w0.178: v2(44.297,33.274) 69.469,33.274 73.914,28.829 v2(73.914,28.321)
ADC_Vout: R3.2 U1.7 U9.F2 | length 50.2
  Top Layer w0.178: R3.2@30.19,32.669 v2(43.307,32.669)
  Top Layer w0.254: U1.7@28.448,34.947 28.448,34.308 28.602,34.154 28.717,34.154 30.19,32.682 R3.2@30.19,32.669
  Bottom Layer w0.178: v2(43.307,32.669) 48.611,32.669 55.245,26.035 56.261,26.035 57.404,27.178 63.246,27.178 63.5,27.432 72.195,27.432 73.486,26.14 v2(73.495,26.149)
AmosH: D3.1 Q1.4 R13.1 R26.2 TP8.1 | length 60.8
  Top Layer w0.254: Q1.4@28.737,92.624 Q1.4@28.539,92.426 30.287,92.426 TP8.1@30.287,92.679 30.287,92.699 R13.1@31.876,92.699 ; TP8.1@30.004,92.679 TP8.1@30.161,92.538 ; D3.1@37.045,46.287 37.103,46.228 v1(39.243,46.228) R26.2@39.243,43.815
  Mid Layer 2 w0.254: TP8.1@30.287,92.679 33.559,92.679 39.243,86.995 39.243,48.26 v1(39.243,46.228)
AmosL: D4.1 Q3.4 R21.2 R27.2 TP10.1 | length 34.5
  Top Layer w0.254: Q3.4@32.004,64.262 32.004,64.135 TP10.1@33.782,64.135 v1(42.037,64.135) R21.2@43.509,64.135 ; R27.2@42.799,43.815 v1(42.799,46.228) 44.976,46.228 D4.1@45.035,46.287
  Mid Layer 2 w0.254: v1(42.037,64.135) 42.799,63.373 v1(42.799,46.228)
B_HS: C49.2 Q2.1 Q2.2 Q2.3 Q4.5 Q4.6 Q4.7 Q4.8 R5.2 R14.1 TP12.1 U3.1 U10.6 | length 109.7
  Top Layer w0.254: v1(55.493,37.502) 55.583,37.592 U10.6@57.754,37.592 ; v1(63.627,84.328) 63.635,84.336 67.982,84.336 R14.1@67.99,84.343 ; Q2.3@67.982,89.886 Q2.2@67.982,91.156 Q2.1@67.982,92.426
  Mid Layer 2 w0.254: v1(40.132,23.876) 40.132,24.765 41.783,26.416 49.53,34.163 49.53,58.337 56.769,65.576 56.769,79.375 57.404,80.01 v1(59.708,80.01) ; TP12.1@52.924,44.572 54.732,44.572 54.737,44.577 ; v1(55.493,37.502) 54.737,38.258 54.737,44.577 ; v1(63.627,66.548) 63.627,59.309 54.737,50.419 54.737,44.577
  other v1: 61.849,66.548 65.405,66.548 67.183,66.548 61.849,68.326 63.627,68.326 65.405,68.326 67.183,68.326 61.849,70.104 63.627,70.104 65.405,70.104 67.183,70.104 61.849,71.882 63.627,71.882 65.405,71.882 61.849,73.66 63.627,73.66 65.405,73.66 61.849,75.438 63.627,75.438 65.405,75.438 61.849,77.216 63.627,77.216 65.405,77.216 61.849,78.994 63.627,78.994 65.405,78.994 61.595,80.518 63.627,80.772 65.405,80.772 60.071,82.55 61.849,82.55 63.627,82.55 58.293,84.328 60.071,84.328 61.849,84.328 56.515,86.106 58.293,86.106 60.071,86.106 61.849,86.106 63.627,86.106 56.515,87.884 58.293,87.884 60.071,87.884 61.849,87.884 63.627,87.884 56.515,89.662 58.293,89.662 60.071,89.662 61.849,89.662 63.627,89.662 56.515,91.44 58.293,91.44 60.071,91.44 61.849,91.44 63.627,91.44 65.405,91.44 67.183,91.44 56.515,93.218 58.293,93.218 60.071,93.218 61.849,93.218 63.627,93.218 65.405,93.218 67.183,93.218
BK: Screen1.1 U9.F10 | length 68.4
  Top Layer w0.178: Screen1.1@11.473,5.235 15.014,5.235 15.57,5.791 37.849,5.791 47.273,15.215 64.545,15.215 66.704,17.374 71.73,17.374 73.495,19.139 U9.F10@73.495,19.749
BmosH: D6.1 Q2.4 R14.2 R30.2 TP11.1 | length 58
  Top Layer w0.254: D6.1@55.493,46.287 55.562,46.355 v1(57.785,46.355) R30.2@57.785,43.815 ; Q2.4@67.982,88.616 67.99,88.608 TP11.1@67.99,86.817 R14.2@67.99,85.209
  Mid Layer 2 w0.254: v1(57.785,46.355) 57.785,49.657 74.041,65.913 74.041,70.104 72.263,71.882 72.263,80.137 67.99,84.41 TP11.1@67.99,86.817
BmosL: D7.1 Q4.4 R22.2 R31.2 TP13.1 | length 36.5
  Top Layer w0.254: R31.2@62.118,43.815 62.103,43.83 v1(62.103,46.355) 64.373,46.355 D7.1@64.441,46.287 ; Q4.4@68.326,64.262 TP13.1@70.104,64.262 R22.2@71.755,64.262 v1(76.2,64.262)
  Mid Layer 2 w0.254: v1(62.103,46.355) 62.103,49.657 76.2,63.754 v1(76.2,64.262)